# Altium PCB CU-ON-OFF-V2-08-11-18.PcbDoc (part 12 of 14) (continued)
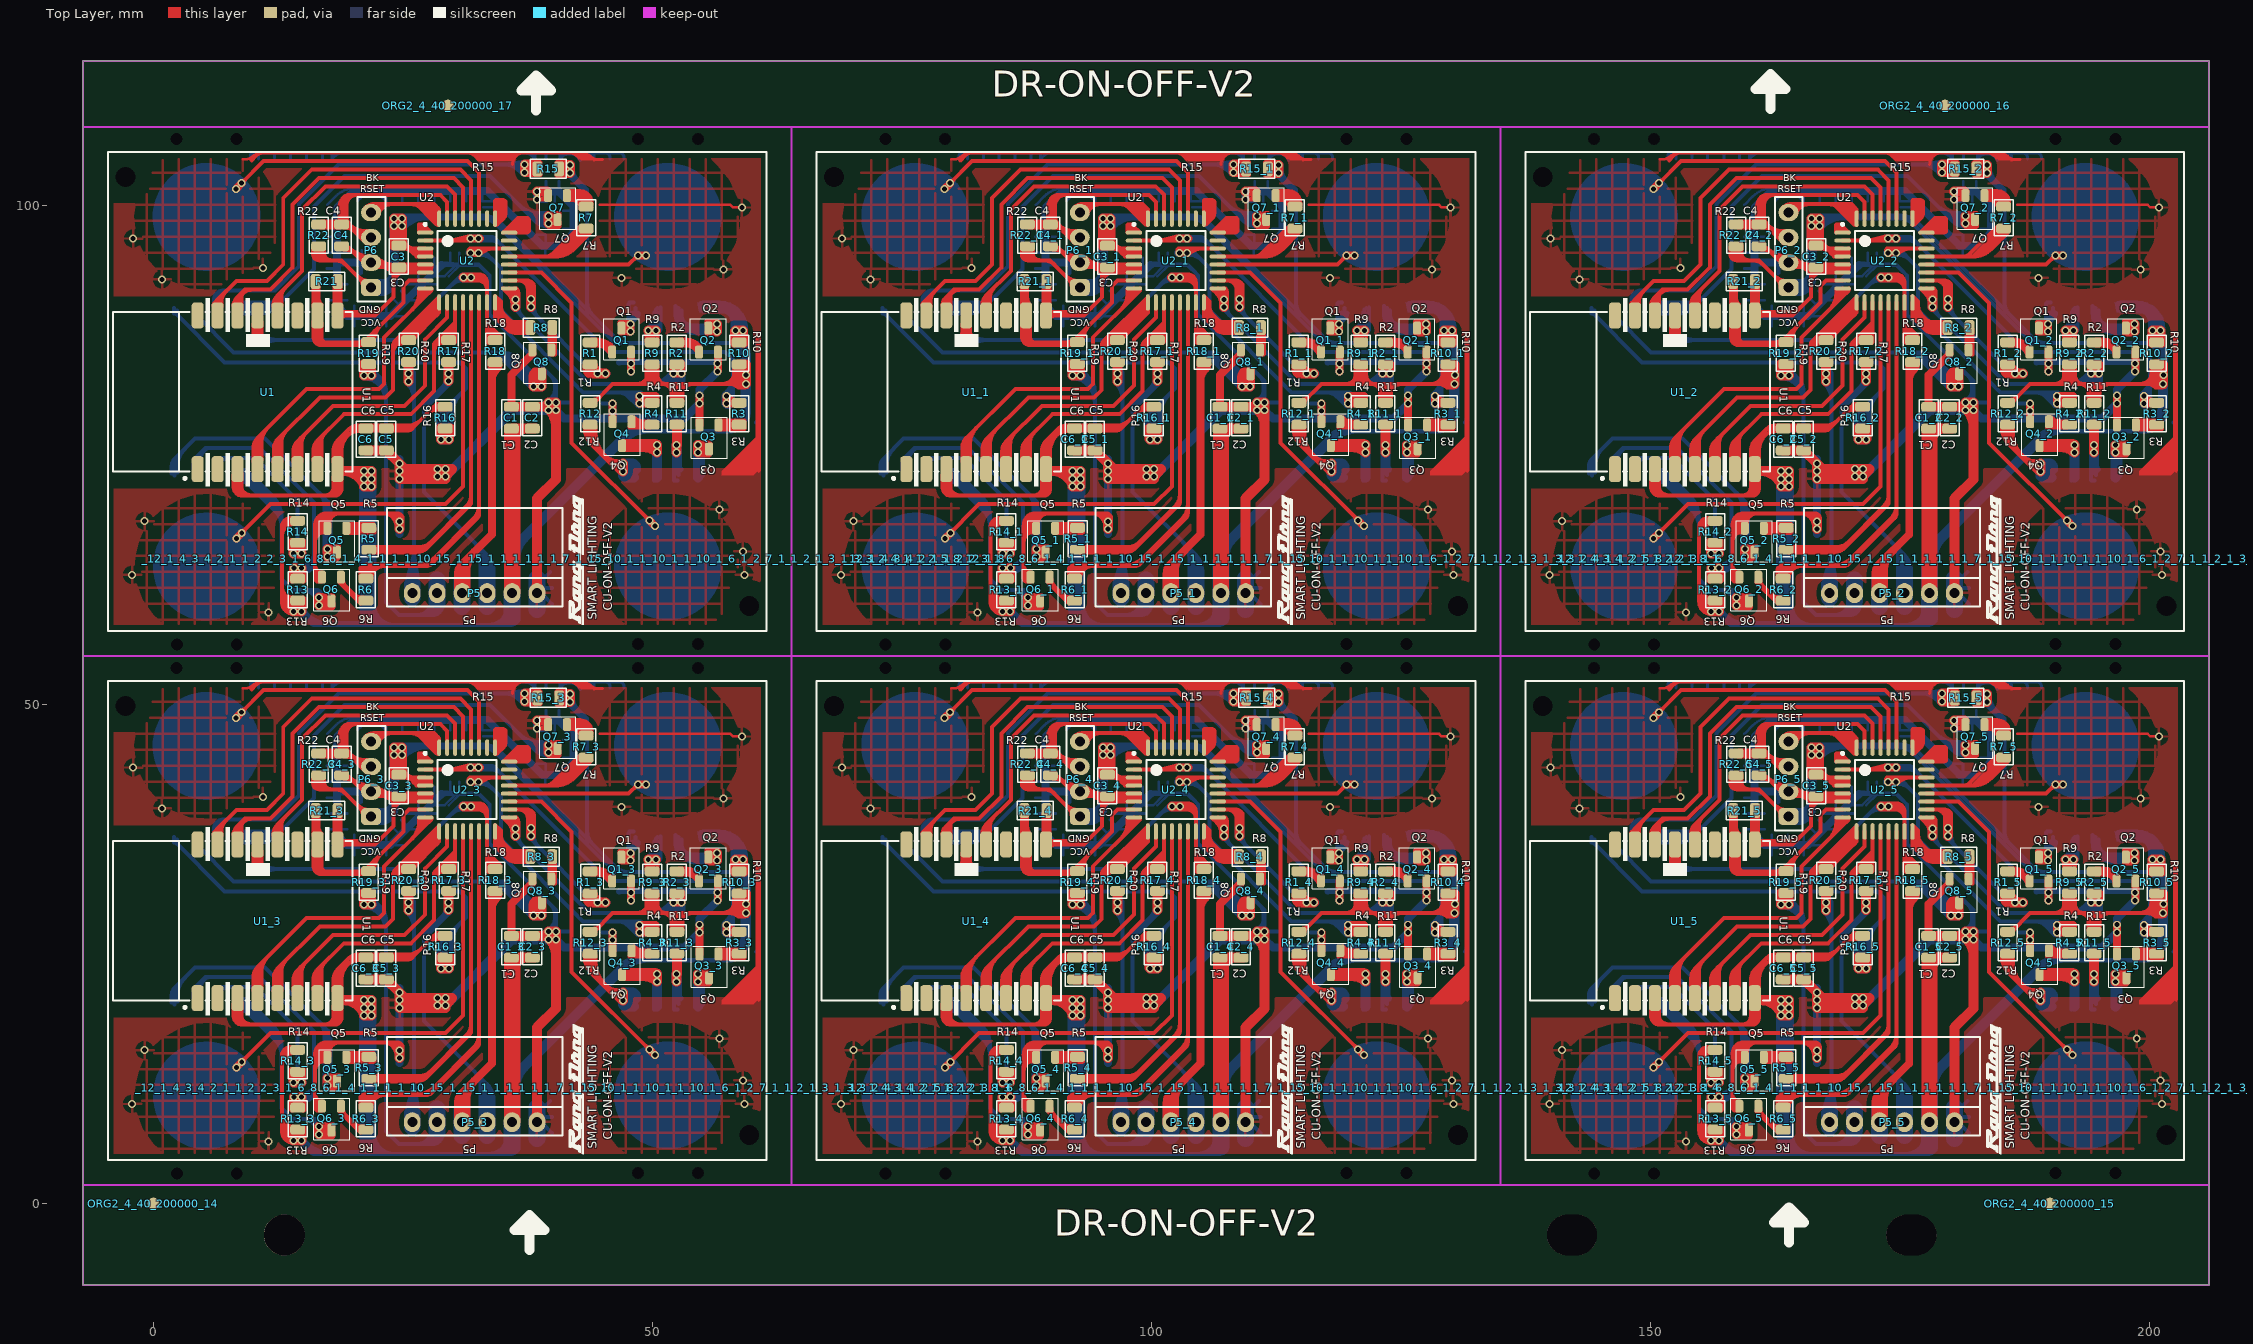
[diagram p0: Top Layer view]
## Nets (pads, with @x,y where several pads share a name; then routed paths per layer and width w, separated by ;. In a path a pad name is that pad's centre, name@x,y a point inside that pad or via, vN(x,y) a via of type N, cw(c..) or ccw(c..) an arc to the next point about the centre after c; other vN are vias at no path point) (continued)
  Bottom Layer w0.6: 46.641,31.257 cw(c46.762,31.136) 46.762,31.307 47.971,31.307 56.272,31.307 56.495,31.307 cw(c56.495,31.136) v1@56.616,31.257 ; 46.641,84.256 cw(c46.762,84.135) 46.762,84.306 47.971,84.306 56.272,84.306 56.495,84.306 cw(c56.495,84.135) 56.616,84.256 ; v1@56.272,31.263 cw(c56.272,30.877) v1(56.545,31.15) ; 56.272,84.262 cw(c56.272,83.876) 56.545,84.149 ; 117.641,31.257 cw(c117.762,31.136) 117.762,31.307 118.971,31.307 127.272,31.307 127.495,31.307 cw(c127.495,31.136) v1@127.616,31.257 ; 117.641,84.256 cw(c117.762,84.135) 117.762,84.306 118.971,84.306 127.272,84.306 127.495,84.306 cw(c127.495,84.135) v1@127.616,84.256 ; v1@127.272,31.263 cw(c127.272,30.877) v1(127.545,31.15) ; v1@127.272,84.262 cw(c127.272,83.876) v1(127.545,84.149) ; 188.641,31.257 cw(c188.762,31.136) 188.762,31.307 189.971,31.307 198.272,31.307 198.495,31.307 cw(c198.495,31.136) v1@198.616,31.257 ; 188.641,84.256 cw(c188.762,84.135) 188.762,84.306 189.971,84.306 198.272,84.306 198.495,84.306 cw(c198.495,84.135) v1@198.616,84.256 ; v1@198.272,31.263 cw(c198.272,30.877) v1(198.545,31.15) ; v1@198.272,84.262 cw(c198.272,83.876) v1(198.545,84.149)
  Bottom Layer w0.8: 21.816,41.282 18.491,41.282 18.391,41.382 ; 24.666,14.107 v1(24.666,14.582) v1(24.666,15.357) v1(24.666,19.607) v1(24.666,20.382) 24.666,21.607 ; v1(25.578,29.382) v1(25.578,30.157) ; 25.578,82.381 25.578,83.156 ; 28.891,41.057 23.741,35.907 19.416,35.907 18.391,36.932 18.391,41.382 ; v1(29.591,29.407) v1(29.591,30.182) ; 29.591,82.406 29.591,83.181 ; v1@31.666,42.247 v1(32.566,42.247) ; v1@31.666,43.675 v1(32.573,43.675) ; 31.666,95.246 32.566,95.246 ; 31.666,96.674 32.573,96.674 ; v1(38.416,47.607) v1(38.416,48.382) 40.641,48.382 42.116,46.907 42.116,44.232 40.841,42.957 38.966,42.957 33.491,48.432 20.066,48.432 18.391,46.757 18.391,41.382 ; v1(40.341,26.482) 41.166,25.657 53.215,25.657 v1(54.72,27.162) v1(54.72,27.937) 54.72,28.55 v1(56.545,30.375) v1(56.545,31.15) ; v1(44.516,30.17) v1@45.416,30.182 ; 46.008,25.674 v1(46.008,26.4) v1(46.008,27.175) ; v1(47.796,34.35) v1(47.796,35.125) ; 47.796,87.349 47.796,88.124 ; v1(47.858,30.375) v1(47.858,31.15) ; v1(49.583,34.475) v1(50.358,34.475) ; 49.583,87.474 50.358,87.474 ; v1(52.133,30.163) v1(52.908,30.163) ; 52.133,83.162 52.908,83.162 ; v1(56.483,34.35) v1(56.483,35.125) ; 56.483,87.349 56.483,88.124 ; 92.816,41.282 89.491,41.282 89.391,41.382 ; 92.816,94.281 89.491,94.281 89.391,94.381 ; 95.666,14.107 v1(95.666,14.582) v1(95.666,15.357) v1(95.666,19.607) v1(95.666,20.382) 95.666,21.607 ; 95.666,67.106 v1(95.666,67.581) v1(95.666,68.356) v1(95.666,72.606) v1(95.666,73.381) 95.666,74.606 ; v1(96.578,29.382) v1(96.578,30.157) ; v1(96.578,82.381) v1(96.578,83.156) ; 99.891,41.057 94.741,35.907 90.416,35.907 89.391,36.932 89.391,41.382 ; 99.891,94.056 94.741,88.906 90.416,88.906 89.391,89.931 89.391,94.381 ; v1(100.591,29.407) v1(100.591,30.182) ; v1(100.591,82.406) v1(100.591,83.181) ; v1@102.666,42.247 v1(103.566,42.247) ; v1@102.666,43.675 v1(103.573,43.675) ; v1@102.666,95.246 v1(103.566,95.246) ; v1@102.666,96.674 v1(103.573,96.674) ; v1(109.416,47.607) v1(109.416,48.382) 111.641,48.382 113.116,46.907 113.116,44.232 111.841,42.957 109.966,42.957 104.491,48.432 91.066,48.432 89.391,46.757 89.391,41.382 ; v1(109.416,100.606) v1(109.416,101.381) 111.641,101.381 113.116,99.906 113.116,97.231 111.841,95.956 109.966,95.956 104.491,101.431 91.066,101.431 89.391,99.756 89.391,94.381 ; v1(111.341,26.482) 112.166,25.657 124.215,25.657 v1(125.72,27.162) v1(125.72,27.937) 125.72,28.55 v1(127.545,30.375) v1(127.545,31.15) ; v1(111.341,79.481) 112.166,78.656 124.215,78.656 v1(125.72,80.161) v1(125.72,80.936) 125.72,81.549 v1(127.545,83.374) v1(127.545,84.149) ; v1(115.516,30.17) v1@116.416,30.182 ; v1(115.516,83.169) v1@116.416,83.181 ; 117.008,25.674 v1(117.008,26.4) v1(117.008,27.175) ; 117.008,78.673 v1(117.008,79.399) v1(117.008,80.174) ; v1(118.796,34.35) v1(118.796,35.125) ; v1(118.796,87.349) v1(118.796,88.124) ; v1(118.858,30.375) v1(118.858,31.15) ; v1(118.858,83.374) v1(118.858,84.149) ; v1(120.583,34.475) v1(121.358,34.475) ; v1(120.583,87.474) v1(121.358,87.474) ; v1(123.133,30.163) v1(123.908,30.163) ; v1(123.133,83.162) v1(123.908,83.162) ; v1(127.483,34.35) v1(127.483,35.125) ; v1(127.483,87.349) v1(127.483,88.124) ; 163.816,41.282 160.491,41.282 160.391,41.382 ; 163.816,94.281 160.491,94.281 160.391,94.381 ; 166.666,14.107 v1(166.666,14.582) v1(166.666,15.357) v1(166.666,19.607) v1(166.666,20.382) 166.666,21.607 ; 166.666,67.106 v1(166.666,67.581) v1(166.666,68.356) v1(166.666,72.606) v1(166.666,73.381) 166.666,74.606 ; v1(167.578,29.382) v1(167.578,30.157) ; v1(167.578,82.381) v1(167.578,83.156) ; 170.891,41.057 165.741,35.907 161.416,35.907 160.391,36.932 160.391,41.382 ; 170.891,94.056 165.741,88.906 161.416,88.906 160.391,89.931 160.391,94.381 ; v1(171.591,29.407) v1(171.591,30.182) ; v1(171.591,82.406) v1(171.591,83.181) ; v1@173.666,42.247 v1(174.566,42.247) ; v1@173.666,43.675 v1(174.573,43.675) ; v1@173.666,95.246 v1(174.566,95.246) ; v1@173.666,96.674 v1(174.573,96.674) ; v1(180.416,47.607) v1(180.416,48.382) 182.641,48.382 184.116,46.907 184.116,44.232 182.841,42.957 180.966,42.957 175.491,48.432 162.066,48.432 160.391,46.757 160.391,41.382 ; v1(180.416,100.606) v1(180.416,101.381) 182.641,101.381 184.116,99.906 184.116,97.231 182.841,95.956 180.966,95.956 175.491,101.431 162.066,101.431 160.391,99.756 160.391,94.381 ; v1(182.341,26.482) 183.166,25.657 195.215,25.657 v1(196.72,27.162) v1(196.72,27.937) 196.72,28.55 v1(198.545,30.375) v1(198.545,31.15) ; v1(182.341,79.481) 183.166,78.656 195.215,78.656 v1(196.72,80.161) v1(196.72,80.936) 196.72,81.549 v1(198.545,83.374) v1(198.545,84.149) ; v1(186.516,30.17) v1@187.416,30.182 ; v1(186.516,83.169) v1@187.416,83.181 ; 188.008,25.674 v1(188.008,26.4) v1(188.008,27.175) ; 188.008,78.673 v1(188.008,79.399) v1(188.008,80.174) ; v1(189.796,34.35) v1(189.796,35.125) ; v1(189.796,87.349) v1(189.796,88.124) ; v1(189.858,30.375) v1(189.858,31.15) ; v1(189.858,83.374) v1(189.858,84.149) ; v1(191.583,34.475) v1(192.358,34.475) ; v1(191.583,87.474) v1(192.358,87.474) ; v1(194.133,30.163) v1(194.908,30.163) ; v1(194.133,83.162) v1(194.908,83.162) ; v1(198.483,34.35) v1(198.483,35.125) ; v1(198.483,87.349) v1(198.483,88.124)
  Bottom Layer w1: v1(10.041,33.507) v1(10.816,33.507) ; 10.041,86.506 10.816,86.506 ; v1(14.058,6.337) v1(14.833,6.337) ; v1(14.058,12.137) v1(14.833,12.137) ; 14.058,59.336 14.833,59.336 ; 14.058,65.136 14.833,65.136 ; v1(14.083,10.664) v1(14.858,10.664) ; 14.083,63.662 14.858,63.662 ; v1(16.619,6.925) v1(16.619,7.7) ; 16.619,59.924 16.619,60.699 ; v1(17.47,11.825) v1(17.47,12.6) ; 17.47,64.824 17.47,65.599 ; v1(21.091,29.982) v1(21.866,29.982) ; 21.091,82.981 21.866,82.981 ; 22.416,38.432 22.821,38.432 ccw(c22.821,39.627) 23.666,38.782 ccw(c22.538,39.91) 24.133,39.91 24.133,40.182 cw(c23.148,40.182) 23.845,39.486 23.816,39.457 cw(c23.031,40.242) 23.031,39.132 21.816,39.132 23.389,39.132 ccw(c23.389,39.559) 23.691,39.257 ccw(c22.624,40.324) 24.133,40.324 v1(24.133,44.925) ; 22.416,91.431 22.821,91.431 ccw(c22.821,92.626) 23.666,91.781 ccw(c22.538,92.909) 24.133,92.909 24.133,93.181 cw(c23.148,93.181) 23.845,92.485 23.816,92.456 cw(c23.031,93.241) 23.031,92.131 21.816,92.131 23.389,92.131 ccw(c23.389,92.558) 23.691,92.256 ccw(c22.624,93.323) 24.133,93.323 24.133,97.924 ; v1(28.833,23.562) v1(29.608,23.562) ; 28.833,76.561 29.608,76.561 ; 29.941,20.607 v1(29.266,20.607) v1(28.491,20.607) v1(28.491,19.832) v1(29.266,19.832) 35.916,26.482 v1(39.566,26.482) ; v1(31.066,39.782) v1(31.841,39.782) ; 31.066,92.781 31.841,92.781 ; v1(36.266,36.807) v1(36.266,37.582) ; 36.266,89.806 36.266,90.581 ; v1(37.209,50.325) v1(37.209,51.1) ; 37.209,103.324 37.209,104.099 ; v1(37.816,36.832) v1(37.816,37.607) ; 37.816,89.831 37.816,90.606 ; v1(38.091,28.882) v1(38.866,28.882) ; 38.091,81.881 38.866,81.881 ; v1(39.571,45.173) v1(39.571,45.948) ; 39.571,98.172 39.571,98.947 ; v1(40.341,26.482) v1(39.566,26.482) ; v1(40.341,27.257) v1(39.566,27.257) v1(39.566,26.482) ; v1(41.722,50.265) v1(41.722,51.04) ; 41.722,103.264 41.722,104.039 ; 48.166,19.732 47.418,19.732 cw(c47.418,20.159) 47.116,19.857 cw(c47.256,19.997) 47.058,19.997 v1(47.058,20.35) v1(47.058,21.125) 48.027,21.125 cw(c48.027,20.893) 48.191,21.057 cw(c47.829,20.695) 48.341,20.695 48.341,20.532 ; 48.166,72.731 47.418,72.731 cw(c47.418,73.158) 47.116,72.856 cw(c47.256,72.996) 47.058,72.996 47.058,73.349 47.058,74.124 48.027,74.124 cw(c48.027,73.892) 48.191,74.056 cw(c47.829,73.694) 48.341,73.694 48.341,73.531 ; v1(48.695,27.139) v1@48.695,27.957 ; 48.695,80.137 48.695,80.956 ; v1(50.458,23) v1(50.458,22.225) 50.458,19.776 ccw(c50.485,19.776) 50.466,19.757 ; 50.458,75.224 50.458,72.775 ccw(c50.485,72.775) 50.466,72.756 ; v1(52.433,22.225) v1(52.433,23) ; 52.433,75.224 52.433,75.999 ; v1(54.583,23) v1(54.583,22.225) 54.583,19.751 ccw(c54.61,19.751) 54.591,19.732 ; 54.583,75.999 54.583,75.224 54.583,72.75 ccw(c54.61,72.75) 54.591,72.731 ; v1(57.42,27.139) v1(57.42,27.914) ; 57.42,80.137 57.42,80.913 ; v1(58.308,34.475) v1(59.083,34.475) ; 58.308,87.474 59.083,87.474 ; v1(59.358,29.1) v1@59.358,29.965 ; 59.358,82.099 59.358,82.964 ; v1(81.041,33.507) v1(81.816,33.507) ; v1(81.041,86.506) v1(81.816,86.506) ; v1(85.058,6.337) v1(85.833,6.337) ; v1(85.058,12.137) v1(85.833,12.137) ; v1(85.058,59.336) v1(85.833,59.336) ; v1(85.058,65.136) v1(85.833,65.136) ; v1(85.083,10.664) v1(85.858,10.664) ; v1(85.083,63.662) v1(85.858,63.662) ; v1(87.619,6.925) v1(87.619,7.7) ; v1(87.619,59.924) v1(87.619,60.699) ; v1(88.47,11.825) v1(88.47,12.6) ; v1(88.47,64.824) v1(88.47,65.599) ; v1(92.091,29.982) v1(92.866,29.982) ; v1(92.091,82.981) v1(92.866,82.981) ; 93.416,38.432 93.821,38.432 ccw(c93.821,39.627) 94.666,38.782 ccw(c93.538,39.91) 95.133,39.91 95.133,40.182 cw(c94.148,40.182) 94.844,39.486 94.816,39.457 cw(c94.031,40.242) 94.031,39.132 92.816,39.132 94.389,39.132 ccw(c94.389,39.559) 94.691,39.257 ccw(c93.624,40.324) 95.133,40.324 v1(95.133,44.925) ; 93.416,91.431 93.821,91.431 ccw(c93.821,92.626) 94.666,91.781 ccw(c93.538,92.909) 95.133,92.909 95.133,93.181 cw(c94.148,93.181) 94.844,92.485 94.816,92.456 cw(c94.031,93.241) 94.031,92.131 92.816,92.131 94.389,92.131 ccw(c94.389,92.558) 94.691,92.256 ccw(c93.624,93.323) 95.133,93.323 v1(95.133,97.924) ; v1(99.833,23.562) v1(100.608,23.562) ; v1(99.833,76.561) v1(100.608,76.561) ; 100.941,20.607 v1(100.266,20.607) v1(99.491,20.607) v1(99.491,19.832) v1(100.266,19.832) 106.916,26.482 v1(110.566,26.482) ; 100.941,73.606 v1(100.266,73.606) v1(99.491,73.606) v1(99.491,72.831) v1(100.266,72.831) 106.916,79.481 v1(110.566,79.481) ; v1(102.066,39.782) v1(102.841,39.782) ; v1(102.066,92.781) v1(102.841,92.781) ; v1(107.266,36.807) v1(107.266,37.582) ; v1(107.266,89.806) v1(107.266,90.581) ; v1(108.209,50.325) v1(108.209,51.1) ; v1(108.209,103.324) v1(108.209,104.099) ; v1(108.816,36.832) v1(108.816,37.607) ; v1(108.816,89.831) v1(108.816,90.606) ; v1(109.091,28.882) v1(109.866,28.882) ; v1(109.091,81.881) v1(109.866,81.881) ; v1(110.571,45.173) v1(110.571,45.948) ; v1(110.571,98.172) v1(110.571,98.947) ; v1(111.341,26.482) v1(110.566,26.482) ; v1(111.341,27.257) v1(110.566,27.257) v1(110.566,26.482) ; v1(111.341,79.481) v1(110.566,79.481) ; v1(111.341,80.256) v1(110.566,80.256) v1(110.566,79.481) ; v1(112.722,50.265) v1(112.722,51.04) ; v1(112.722,103.264) v1(112.722,104.039) ; 119.166,19.732 118.418,19.732 cw(c118.418,20.159) 118.116,19.857 cw(c118.256,19.997) 118.058,19.997 v1(118.058,20.35) v1(118.058,21.125) 119.027,21.125 cw(c119.027,20.893) 119.191,21.057 cw(c118.829,20.695) 119.341,20.695 119.341,20.532 ; 119.166,72.731 118.418,72.731 cw(c118.418,73.158) 118.116,72.856 cw(c118.256,72.996) 118.058,72.996 v1(118.058,73.349) v1(118.058,74.124) 119.027,74.124 cw(c119.027,73.892) 119.191,74.056 cw(c118.829,73.694) 119.341,73.694 119.341,73.531 ; v1(119.694,27.139) v1@119.694,27.957 ; v1(119.694,80.137) v1@119.694,80.956 ; v1(121.458,23) v1(121.458,22.225) 121.458,19.776 ccw(c121.485,19.776) 121.466,19.757 ; v1(121.458,75.999) v1(121.458,75.224) 121.458,72.775 ccw(c121.485,72.775) 121.466,72.756 ; v1(123.433,22.225) v1(123.433,23) ; v1(123.433,75.224) v1(123.433,75.999) ; v1(125.583,23) v1(125.583,22.225) 125.583,19.751 ccw(c125.61,19.751) 125.591,19.732 ; v1(125.583,75.999) v1(125.583,75.224) 125.583,72.75 ccw(c125.61,72.75) 125.591,72.731 ; v1(128.419,27.139) v1(128.419,27.914) ; v1(128.419,80.137) v1(128.419,80.913) ; v1(129.308,34.475) v1(130.083,34.475) ; v1(129.308,87.474) v1(130.083,87.474) ; v1(130.358,29.1) v1@130.358,29.965 ; v1(130.358,82.099) v1@130.358,82.964 ; v1(152.041,33.507) v1(152.816,33.507) ; v1(152.041,86.506) v1(152.816,86.506) ; v1(156.058,6.337) v1(156.833,6.337) ; v1(156.058,12.137) v1(156.833,12.137) ; v1(156.058,59.336) v1(156.833,59.336) ; v1(156.058,65.136) v1(156.833,65.136) ; v1(156.083,10.664) v1(156.858,10.664) ; v1(156.083,63.662) v1(156.858,63.662) ; v1(158.619,6.925) v1(158.619,7.7) ; v1(158.619,59.924) v1(158.619,60.699) ; v1(159.47,11.825) v1(159.47,12.6) ; v1(159.47,64.824) v1(159.47,65.599) ; v1(163.091,29.982) v1(163.866,29.982) ; v1(163.091,82.981) v1(163.866,82.981) ; 164.416,38.432 164.821,38.432 ccw(c164.821,39.627) 165.666,38.782 ccw(c164.538,39.91) 166.133,39.91 166.133,40.182 cw(c165.148,40.182) 165.844,39.486 165.816,39.457 cw(c165.031,40.242) 165.031,39.132 163.816,39.132 165.389,39.132 ccw(c165.389,39.559) 165.691,39.257 ccw(c164.624,40.324) 166.133,40.324 v1(166.133,44.925) ; 164.416,91.431 164.821,91.431 ccw(c164.821,92.626) 165.666,91.781 ccw(c164.538,92.909) 166.133,92.909 166.133,93.181 cw(c165.148,93.181) 165.844,92.485 165.816,92.456 cw(c165.031,93.241) 165.031,92.131 163.816,92.131 165.389,92.131 ccw(c165.389,92.558) 165.691,92.256 ccw(c164.624,93.323) 166.133,93.323 v1(166.133,97.924) ; v1(170.833,23.562) v1(171.608,23.562) ; v1(170.833,76.561) v1(171.608,76.561) ; 171.941,20.607 v1(171.266,20.607) v1(170.491,20.607) v1(170.491,19.832) v1(171.266,19.832) 177.916,26.482 v1(181.566,26.482) ; 171.941,73.606 v1(171.266,73.606) v1(170.491,73.606) v1(170.491,72.831) v1(171.266,72.831) 177.916,79.481 v1(181.566,79.481) ; v1(173.066,39.782) v1(173.841,39.782) ; v1(173.066,92.781) v1(173.841,92.781) ; v1(178.266,36.807) v1(178.266,37.582) ; v1(178.266,89.806) v1(178.266,90.581) ; v1(179.209,50.325) v1(179.209,51.1) ; v1(179.209,103.324) v1(179.209,104.099) ; v1(179.816,36.832) v1(179.816,37.607) ; v1(179.816,89.831) v1(179.816,90.606) ; v1(180.091,28.882) v1(180.866,28.882) ; v1(180.091,81.881) v1(180.866,81.881) ; v1(181.571,45.173) v1(181.571,45.948) ; v1(181.571,98.172) v1(181.571,98.947) ; v1(182.341,26.482) v1(181.566,26.482) ; v1(182.341,27.257) v1(181.566,27.257) v1(181.566,26.482) ; v1(182.341,79.481) v1(181.566,79.481) ; v1(182.341,80.256) v1(181.566,80.256) v1(181.566,79.481) ; v1(183.722,50.265) v1(183.722,51.04) ; v1(183.722,103.264) v1(183.722,104.039) ; 190.166,19.732 189.418,19.732 cw(c189.418,20.159) 189.116,19.857 cw(c189.256,19.997) 189.058,19.997 v1(189.058,20.35) v1(189.058,21.125) 190.027,21.125 cw(c190.027,20.893) 190.191,21.057 cw(c189.829,20.695) 190.341,20.695 190.341,20.532 ; 190.166,72.731 189.418,72.731 cw(c189.418,73.158) 189.116,72.856 cw(c189.256,72.996) 189.058,72.996 v1(189.058,73.349) v1(189.058,74.124) 190.027,74.124 cw(c190.027,73.892) 190.191,74.056 cw(c189.829,73.694) 190.341,73.694 190.341,73.531 ; v1(190.694,27.139) v1@190.694,27.957 ; v1(190.694,80.137) v1@190.694,80.956 ; v1(192.458,23) v1(192.458,22.225) 192.458,19.776 ccw(c192.485,19.776) 192.466,19.757 ; v1(192.458,75.999) v1(192.458,75.224) 192.458,72.775 ccw(c192.485,72.775) 192.466,72.756 ; v1(194.433,22.225) v1(194.433,23) ; v1(194.433,75.224) v1(194.433,75.999) ; v1(196.583,23) v1(196.583,22.225) 196.583,19.751 ccw(c196.61,19.751) 196.591,19.732 ; v1(196.583,75.999) v1(196.583,75.224) 196.583,72.75 ccw(c196.61,72.75) 196.591,72.731 ; v1(199.419,27.139) v1(199.419,27.914) ; v1(199.419,80.137) v1(199.419,80.913) ; v1(200.308,34.475) v1(201.083,34.475) ; v1(200.308,87.474) v1(201.083,87.474) ; v1(201.358,29.1) v1@201.358,29.965 ; v1(201.358,82.099) v1@201.358,82.964 ; v1(24.133,44.925) v1(24.908,44.925) v1(24.908,45.7) v1(24.133,45.7) v1(24.133,44.925) ; 24.133,97.924 24.133,98.699 24.908,98.699 24.908,97.924 24.133,97.924 ; v1(95.133,44.925) v1(95.908,44.925) v1(95.908,45.7) v1(95.133,45.7) v1(95.133,44.925) ; v1(95.133,97.924) v1(95.908,97.924) v1(95.908,98.699) v1(95.133,98.699) v1(95.133,97.924) ; v1(166.133,44.925) v1(166.908,44.925) v1(166.908,45.7) v1(166.133,45.7) v1(166.133,44.925) ; v1(166.133,97.924) v1(166.908,97.924) v1(166.908,98.699) v1(166.133,98.699) v1(166.133,97.924) ; v1(21.091,18.832) v1(21.866,18.832) v1(21.866,20.382) v1(21.091,20.382) v1(21.091,18.832) ; 21.091,71.831 21.091,73.381 21.866,73.381 21.866,71.831 21.091,71.831 ; v1(92.091,18.832) v1(92.866,18.832) v1(92.866,20.382) v1(92.091,20.382) v1(92.091,18.832) ; v1(92.091,71.831) v1(92.866,71.831) v1(92.866,73.381) v1(92.091,73.381) v1(92.091,71.831) ; v1(163.091,18.832) v1(163.866,18.832) v1(163.866,20.382) v1(163.091,20.382) v1(163.091,18.832) ; v1(163.091,71.831) v1(163.866,71.831) v1(163.866,73.381) v1(163.091,73.381) v1(163.091,71.831)
  Bottom Layer w1.7: 25.941,7.657 25.941,8.157 25.941,9.057 ; 28.441,8.157 28.441,9.482 ; 30.941,6.832 30.941,8.157 ; 30.941,7.257 30.941,8.157 ; 30.941,9.057 30.941,8.157 ; 30.941,9.482 30.941,8.157 ; 30.941,61.156 30.941,62.056 ; 33.441,6.832 33.441,8.157 33.441,7.257 ; 38.441,6.532 38.441,8.157 38.441,9.632 ; 96.941,7.657 96.941,8.157 96.941,9.057 ; 96.941,60.656 96.941,61.156 96.941,62.056 ; 99.441,8.157 99.441,9.482 ; 99.441,61.156 99.441,62.481 ; 101.941,6.832 101.941,8.157 ; 101.941,7.257 101.941,8.157 ; 101.941,9.057 101.941,8.157 ; 101.941,9.482 101.941,8.157 ; 101.941,59.831 101.941,61.156 ; 101.941,60.256 101.941,61.156 ; 101.941,62.056 101.941,61.156 ; 101.941,62.481 101.941,61.156 ; 104.441,6.832 104.441,8.157 104.441,7.257 ; 104.441,59.831 104.441,61.156 104.441,60.256 ; 109.441,6.532 109.441,8.157 109.441,9.632 ; 109.441,59.531 109.441,61.156 109.441,62.631 ; 167.941,7.657 167.941,8.157 167.941,9.057 ; 167.941,60.656 167.941,61.156 167.941,62.056 ; 170.441,8.157 170.441,9.482 ; 170.441,61.156 170.441,62.481 ; 172.941,6.832 172.941,8.157 ; 172.941,7.257 172.941,8.157 ; 172.941,9.057 172.941,8.157 ; 172.941,9.482 172.941,8.157 ; 172.941,59.831 172.941,61.156 ; 172.941,60.256 172.941,61.156 ; 172.941,62.056 172.941,61.156 ; 172.941,62.481 172.941,61.156 ; 175.441,6.832 175.441,8.157 175.441,7.257 ; 175.441,59.831 175.441,61.156 175.441,60.256 ; 180.441,6.532 180.441,8.157 180.441,9.632 ; 180.441,59.531 180.441,61.156 180.441,62.631